# KiCad board LightRail_LPO_1.6T.kicad_pcb (continued)
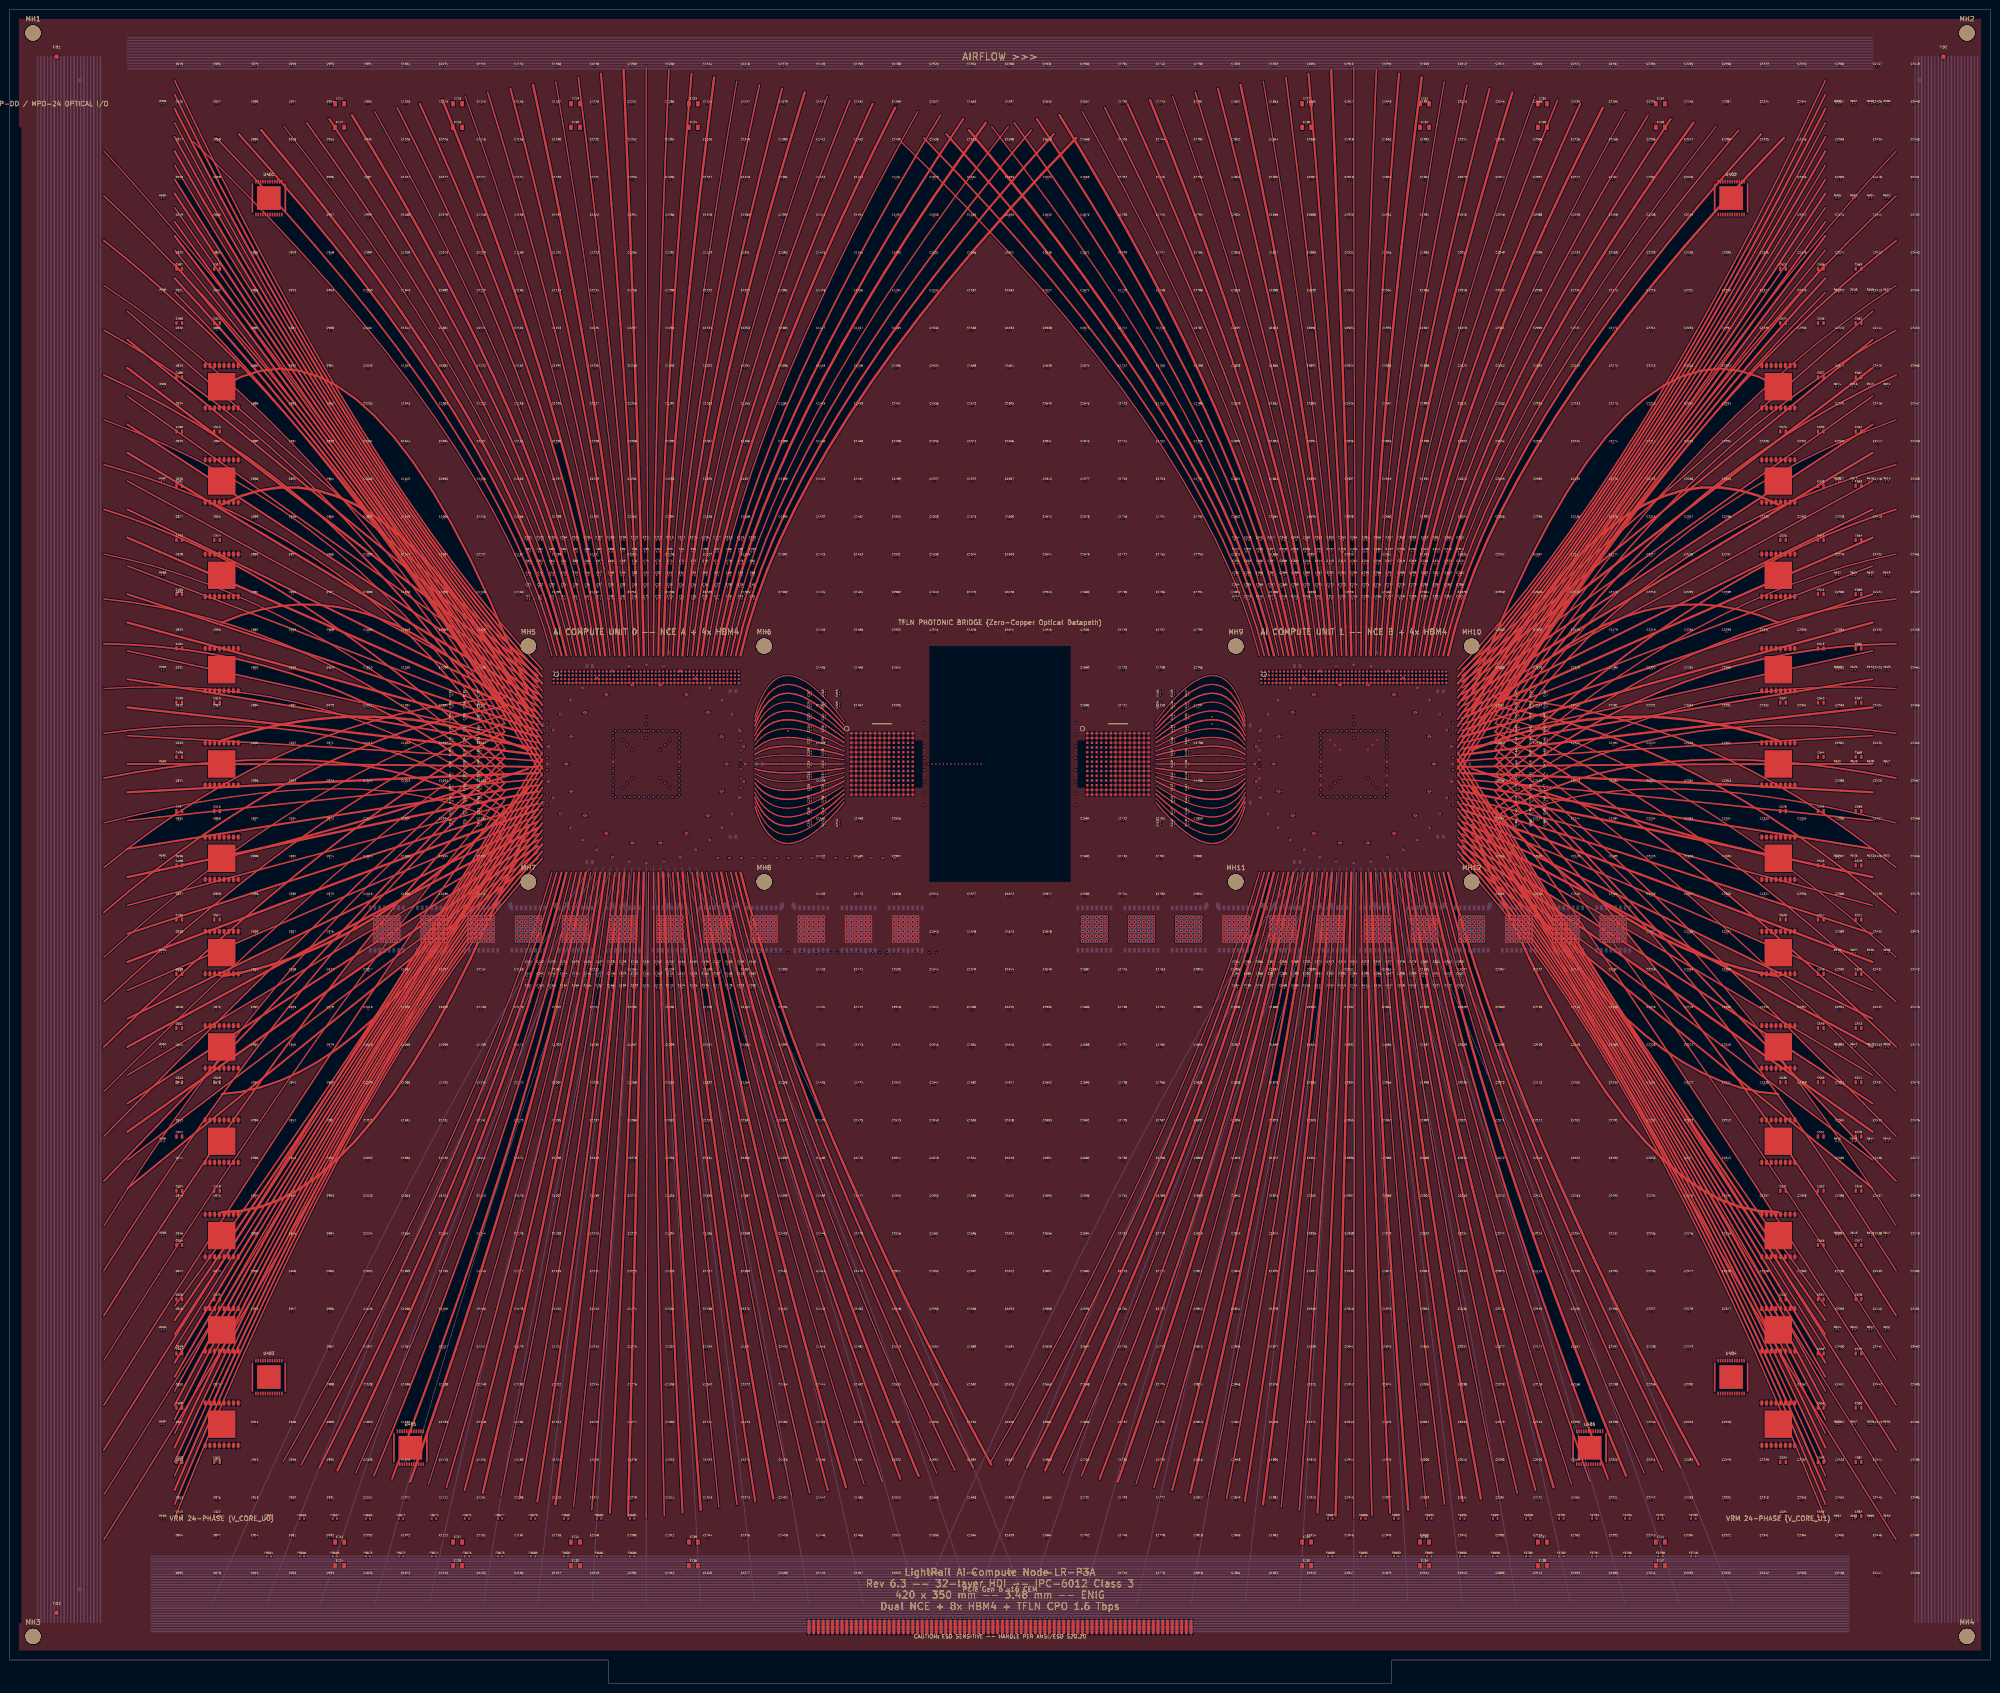
[diagram p0: board, top side]
## Nets (continued)
GND: C_U0_T1_0.2 C_U0_T1_1.2 C_U0_T1_2.2 C_U0_T1_3.2 C_U0_T1_4.2 C_U0_T1_5.2 C_U0_T2_0.2 C_U0_T2_1.2 C_U0_T2_2.2 C_U0_T2_3.2 C_U0_T2_4.2 C_U0_T2_5.2 C_U0_T2_6.2 C_U0_T2_7.2 C_U0_T2_8.2 C_U0_T3_0.2 C_U0_T3_1.2 C_U0_T3_2.2 C_U0_T3_3.2 C_U0_T3_4.2 C_U0_T3_5.2 C_U0_T3_6.2 C_U0_T3_7.2 C_U0_T3_8.2 C_U0_T3_9.2 C_U0_T3_10.2 C_U0_T3_11.2 C_U0_T3_12.2 C_U0_T3_13.2 C_U0_T3_14.2 C_U0_T3_15.2 C_U0_T3_16.2 C_U0_T3_17.2 C_U0_T4_0.2 C_U0_T4_1.2 C_U0_T4_2.2 C_U0_T4_3.2 C_U0_T4_4.2 C_U0_T4_5.2 C_U0_T4_6.2 C_U0_T4_7.2 C_U0_T4_8.2 C_U0_T4_9.2 C_U0_T4_10.2 C_U0_T4_11.2 C_U0_T4_12.2 C_U0_T4_13.2 C_U0_T4_14.2 C_U0_T4_15.2 C_U0_T4_16.2 C_U0_T4_17.2 C_U0_T4_18.2 C_U0_T4_19.2 C_U0_T4_20.2 C_U0_T4_21.2 C_U0_T4_22.2 C_U0_T4_23.2 C_U0_T4_24.2 C_U0_T4_25.2 C_U0_T4_26.2 C_U0_T4_27.2 C_U0_T4_28.2 C_U0_T4_29.2 C_U0_T4_30.2 C_U0_T4_31.2 C_U0_T4_32.2 C_U0_T4_33.2 C_U0_T4_34.2 C_U0_T4_35.2 C_U1_T1_0.2 C_U1_T1_1.2 C_U1_T1_2.2 C_U1_T1_3.2 C_U1_T1_4.2 C_U1_T1_5.2 C_U1_T2_0.2 C_U1_T2_1.2 C_U1_T2_2.2 C_U1_T2_3.2 C_U1_T2_4.2 C_U1_T2_5.2 C_U1_T2_6.2 C_U1_T2_7.2 C_U1_T2_8.2 C_U1_T3_0.2 C_U1_T3_1.2 C_U1_T3_2.2 C_U1_T3_3.2 C_U1_T3_4.2 C_U1_T3_5.2 C_U1_T3_6.2 C_U1_T3_7.2 C_U1_T3_8.2 C_U1_T3_9.2 C_U1_T3_10.2 C_U1_T3_11.2 C_U1_T3_12.2 C_U1_T3_13.2 C_U1_T3_14.2 C_U1_T3_15.2 C_U1_T3_16.2 C_U1_T3_17.2 C_U1_T4_0.2 C_U1_T4_1.2 C_U1_T4_2.2 C_U1_T4_3.2 C_U1_T4_4.2 C_U1_T4_5.2 C_U1_T4_6.2 C_U1_T4_7.2 C_U1_T4_8.2 C_U1_T4_9.2 C_U1_T4_10.2 C_U1_T4_11.2 C_U1_T4_12.2 C_U1_T4_13.2 C_U1_T4_14.2 C_U1_T4_15.2 C_U1_T4_16.2 C_U1_T4_17.2 C_U1_T4_18.2 C_U1_T4_19.2 C_U1_T4_20.2 C_U1_T4_21.2 C_U1_T4_22.2 C_U1_T4_23.2 C_U1_T4_24.2 C_U1_T4_25.2 C_U1_T4_26.2 C_U1_T4_27.2 C_U1_T4_28.2 C_U1_T4_29.2 C_U1_T4_30.2 C_U1_T4_31.2 C_U1_T4_32.2 C_U1_T4_33.2 C_U1_T4_34.2 C_U1_T4_35.2 J1.A1 J1.A2 J1.A3 J1.A4 J1.A5 J1.A6 J1.A7 J1.A8 J1.A9 J1.A10 J1.A11 J1.A12 J1.A13 J1.A14 J1.A15 J1.A16 J1.A17 J1.A18 J1.A19 J1.A20 J1.A21 J1.A22 J1.A23 J1.A24 J1.A25 J1.A26 J1.A27 J1.A28 J1.A29 J1.A30 J1.A31 J1.A32 J1.A33 J1.A34 J1.A35 J1.A36 J1.A37 J1.A38 J1.A39 J1.A40 J1.A41 J1.A42 J1.A43 J1.A44 J1.A45 J1.A46 J1.A47 J1.A48 J1.A49 J1.A50 J1.A51 J1.A52 J1.A53 J1.A54 J1.A55 J1.A56 J1.A57 J1.A58 J1.A59 J1.A60 J1.A61 J1.A62 J1.A63 J1.A64 J1.A65 J1.A66 J1.A67 J1.A68 J1.A69 J1.A70 J1.A71 J1.A72 J1.A73 J1.A74 J1.A75 J1.A76 J1.A77 J1.A78 J1.A79 J1.A80 J1.A81 J1.A82 J1.B1 J1.B2 J1.B3 J1.B4 J1.B5 J1.B6 J1.B7 J1.B8 J1.B9 J1.B10 J1.B11 J1.B12 J1.B13 J1.B14 J1.B15 J1.B16 J1.B17 J1.B18 J1.B19 J1.B20 J1.B21 J1.B22 J1.B23 J1.B24 J1.B25 J1.B26 J1.B27 J1.B28 J1.B29 J1.B30 J1.B31 J1.B32 J1.B33 J1.B34 J1.B35 J1.B36 J1.B37 J1.B38 J1.B39 J1.B40 J1.B41 J1.B42 J1.B43 J1.B44 J1.B45 J1.B46 J1.B47 J1.B48 J1.B49 J1.B50 J1.B51 J1.B52 J1.B53 J1.B54 J1.B55 J1.B56 J1.B57 J1.B58 J1.B59 J1.B60 J1.B61 J1.B62 J1.B63 J1.B64 J1.B65 J1.B66 J1.B67 J1.B68 J1.B69 J1.B70 J1.B71 J1.B72 J1.B73 J1.B74 J1.B75 J1.B76 J1.B77 J1.B78 J1.B79 J1.B80 J1.B81 J1.B82 U101.A1 U101.A3 U101.A5 U101.A7 U101.A9 U101.A11 U101.A13 U101.A15 U101.A17 U101.A19 U101.A21 U101.A23 U101.A25 U101.A27 U101.A29 U101.A31 U101.A33 U101.A35 U101.A37 U101.A39 U101.A41 U101.A43 U101.A45 U101.A47 U101.A49 U101.B2 U101.B4 U101.B6 U101.B8 U101.B10 U101.B12 U101.B14 U101.B16 U101.B18 U101.B20 U101.B22 U101.B24 U101.B26 U101.B28 U101.B30 U101.B32 U101.B34 U101.B36 U101.B38 U101.B40 U101.B42 U101.B44 U101.B46 U101.B48 U101.B50 U101.C1 U101.C3 U101.C5 U101.C7 U101.C9 U101.C11 U101.C13 U101.C15 U101.C17 U101.C19 U101.C21 U101.C23 U101.C25 U101.C27 U101.C29 U101.C31 U101.C33 U101.C35 U101.C37 U101.C39 U101.C41 U101.C43 U101.C45 U101.C47 U101.C49 U101.D2 U101.D4 U101.D5 U101.D6 U101.D7 U101.D8 U101.D9 U101.D10 U101.D11 U101.D12 U101.D13 U101.D14 U101.D15 U101.D16 U101.D17 U101.D18 U101.D19 U101.D20 U101.D21 U101.D22 U101.D23 U101.D24 U101.D25 U101.D26 U101.D27 U101.D28 U101.D29 U101.D30 U101.D31 U101.D32 U101.D33 U101.D34 U101.D35 U101.D36 U101.D37 U101.D38 U101.D39 U101.D40 U101.D41 U101.D42 U101.D43 U101.D44 U101.D45 U101.D46 U101.D47 U101.D48 U101.D50 U102.A1 U102.A2 U102.A3 U102.A4 U102.A5 U102.A6 U102.A7 U102.A8 U102.A9 U102.A10 U102.A11 U102.A12 U102.A13 U102.A14 U102.B1 U102.B2 U102.B3 U102.B4 U102.B5 U102.B6 U102.B7 U102.B8 U102.B9 U102.B10 U102.B11 U102.B12 U102.B13 U102.B14 U102.C1 U102.C2 U102.C3 U102.C4 U102.C5 U102.C6 U102.C7 U102.C8 U102.C9 U102.C10 U102.C11 U102.C12 U102.C13 U102.C14 U102.D1 U102.D2 U102.D3 U102.D4 U102.D5 U102.D6 U102.D7 U102.D8 U102.D9 U102.D10 U102.D11 U102.D12 U102.D13 U102.D14 U102.E1 U102.E2 U102.E3 U102.E4 U102.E5 U102.E6 U102.E7 U102.E8 U102.E9 U102.E10 U102.E11 U102.E12 U102.E13 U102.E14 U102.F1 U102.F2 U102.F3 U102.F4 U102.F5 U102.F6 U102.F7 U102.F8 U102.F9 U102.F10 U102.F11 U102.F12 U102.F13 U102.F14 U102.G1 U102.G2 U102.G3 U102.G4 U102.G5 U102.G6 U102.G7 U102.G8 U102.G9 U102.G10 U102.G11 U102.G12 U102.G13 U102.G14 U102.H1 U102.H2 U102.H3 U102.H4 U102.H5 U102.H6 U102.H7 U102.H8 U102.H9 U102.H10 U102.H11 U102.H12 U102.H13 U102.H14 U102.I1 U102.I2 U102.I3 U102.I4 U102.I5 U102.I6 U102.I7 U102.I8 U102.I9 U102.I10 U102.I11 U102.I12 U102.I13 U102.I14 U102.J1 U102.J2 U102.J3 U102.J4 U102.J5 U102.J6 U102.J7 U102.J8 U102.J9 U102.J10 U102.J11 U102.J12 U102.J13 U102.J14 U102.K1 U102.K2 U102.K3 U102.K4 U102.K5 U102.K6 U102.K7 U102.K8 U102.K9 U102.K10 U102.K11 U102.K12 U102.K13 U102.K14 U102.L1 U102.L2 U102.L3 U102.L4 U102.L5 U102.L6 U102.L7 U102.L8 U102.L9 U102.L10 U102.L11 U102.L12 U102.L13 U102.L14 U102.M1 U102.M2 U102.M3 U102.M4 U102.M5 U102.M6 U102.M7 U102.M8 U102.M9 U102.M10 U102.M11 U102.M12 U102.M13 U102.M14 U102.N1 U102.N2 U102.N3 U102.N4 U102.N5 U102.N6 U102.N7 U102.N8 U102.N9 U102.N10 U102.N11 U102.N12 U102.N13 U102.N14 U201.A1 U201.A3 U201.A5 U201.A7 U201.A9 U201.A11 U201.A13 U201.A15 U201.A17 U201.A19 U201.A21 U201.A23 U201.A25 U201.A27 U201.A29 U201.A31 U201.A33 U201.A35 U201.A37 U201.A39 U201.A41 U201.A43 U201.A45 U201.A47 U201.A49 U201.B2 U201.B4 U201.B6 U201.B8 U201.B10 U201.B12 U201.B14 U201.B16 U201.B18 U201.B20 U201.B22 U201.B24 U201.B26 U201.B28 U201.B30 U201.B32 U201.B34 U201.B36 U201.B38 U201.B40 U201.B42 U201.B44 U201.B46 U201.B48 U201.B50 U201.C1 U201.C3 U201.C5 U201.C7 U201.C9 U201.C11 U201.C13 U201.C15 U201.C17 U201.C19 U201.C21 U201.C23 U201.C25 U201.C27 U201.C29 U201.C31 U201.C33 U201.C35 U201.C37 U201.C39 U201.C41 U201.C43 U201.C45 U201.C47 U201.C49 U201.D2 U201.D4 U201.D5 U201.D6 U201.D7 U201.D8 U201.D9 U201.D10 U201.D11 U201.D12 U201.D13 U201.D14 U201.D15 U201.D16 U201.D17 U201.D18 U201.D19 U201.D20 U201.D21 U201.D22 U201.D23 U201.D24 U201.D25 U201.D26 U201.D27 U201.D28 U201.D29 U201.D30 U201.D31 U201.D32 U201.D33 U201.D34 U201.D35 U201.D36 U201.D37 U201.D38 U201.D39 U201.D40 U201.D41 U201.D42 U201.D43 U201.D44 U201.D45 U201.D46 U201.D47 U201.D48 U201.D50 U202.A1 U202.A2 U202.A3 U202.A4 U202.A5 U202.A6 U202.A7 U202.A8 U202.A9 U202.A10 U202.A11 U202.A12 U202.A13 U202.A14 U202.B1 U202.B2 U202.B3 U202.B4 U202.B5 U202.B6 U202.B7 U202.B8 U202.B9 U202.B10 U202.B11 U202.B12 U202.B13 U202.B14 U202.C1 U202.C2 U202.C3 U202.C4 U202.C5 U202.C6 U202.C7 U202.C8 U202.C9 U202.C10 U202.C11 U202.C12 U202.C13 U202.C14 U202.D1 U202.D2 U202.D3 U202.D4 U202.D5 U202.D6 U202.D7 U202.D8 U202.D9 U202.D10 U202.D11 U202.D12 U202.D13 U202.D14 U202.E1 U202.E2 U202.E3 U202.E4 U202.E5 U202.E6 U202.E7 U202.E8 U202.E9 U202.E10 U202.E11 U202.E12 U202.E13 U202.E14 U202.F1 U202.F2 U202.F3 U202.F4 U202.F5 U202.F6 U202.F7 U202.F8 U202.F9 U202.F10 U202.F11 U202.F12 U202.F13 U202.F14 U202.G1 U202.G2 U202.G3 U202.G4 U202.G5 U202.G6 U202.G7 U202.G8 U202.G9 U202.G10 U202.G11 U202.G12 U202.G13 U202.G14 U202.H1 U202.H2 U202.H3 U202.H4 U202.H5 U202.H6 U202.H7 U202.H8 U202.H9 U202.H10 U202.H11 U202.H12 U202.H13 U202.H14 U202.I1 U202.I2 U202.I3 U202.I4 U202.I5 U202.I6 U202.I7 U202.I8 U202.I9 U202.I10 U202.I11 U202.I12 U202.I13 U202.I14 U202.J1 U202.J2 U202.J3 U202.J4 U202.J5 U202.J6 U202.J7 U202.J8 U202.J9 U202.J10 U202.J11 U202.J12 U202.J13 U202.J14 U202.K1 U202.K2 U202.K3 U202.K4 U202.K5 U202.K6 U202.K7 U202.K8 U202.K9 U202.K10 U202.K11 U202.K12 U202.K13 U202.K14 U202.L1 U202.L2 U202.L3 U202.L4 U202.L5 U202.L6 U202.L7 U202.L8 U202.L9 U202.L10 U202.L11 U202.L12 U202.L13 U202.L14 U202.M1 U202.M2 U202.M3 U202.M4 U202.M5 U202.M6 U202.M7 U202.M8 U202.M9 U202.M10 U202.M11 U202.M12 U202.M13 U202.M14 U202.N1 U202.N2 U202.N3 U202.N4 U202.N5 U202.N6 U202.N7 U202.N8 U202.N9 U202.N10 U202.N11 U202.N12 U202.N13 U202.N14 U302.1 U302.2 U302.3 U302.4 U302.5 U302.6 U302.7 U302.8 U302.9 U302.10 U302.11 U302.12 U302.13 U302.14 U302.15 U302.16 U303.1 U303.2 U303.3 U303.4 U303.5 U303.6 U303.7 U303.8 U303.9 U303.10 U303.11 U303.12 U303.13 U303.14 U303.15 U303.16 U304.1 U304.2 U304.3 U304.4 U304.5 U304.6 U304.7 U304.8 U304.9 U304.10 U304.11 U304.12 U304.13 U304.14 U304.15 U304.16 U305.1 U305.2 U305.3 U305.4 U305.5 U305.6 U305.7 U305.8 U305.9 U305.10 U305.11 U305.12 U305.13 U305.14 U305.15 U305.16 U306.1 U306.2 U306.3 U306.4 U306.5 U306.6 U306.7 U306.8 U306.9 U306.10 U306.11 U306.12 U306.13 U306.14 U306.15 U306.16 U307.1 U307.2 U307.3 U307.4 U307.5 U307.6 U307.7 U307.8 U307.9 U307.10 U307.11 U307.12 U307.13 U307.14 U307.15 U307.16 U308.1 U308.2 U308.3 U308.4 U308.5 U308.6 U308.7 U308.8 U308.9 U308.10 U308.11 U308.12 U308.13 U308.14 U308.15 U308.16 U309.1 U309.2 U309.3 U309.4 U309.5 U309.6 U309.7 U309.8 U309.9 U309.10 U309.11 U309.12 U309.13 U309.14 U309.15 U309.16 U310.1 U310.2 U310.3 U310.4 U310.5 U310.6 U310.7 U310.8 U310.9 U310.10 U310.11 U310.12 U310.13 U310.14 U310.15 U310.16 U311.1 U311.2 U311.3 U311.4 U311.5 U311.6 U311.7 U311.8 U311.9 U311.10 U311.11 U311.12 U311.13 U311.14 U311.15 U311.16 U312.1 U312.2 U312.3 U312.4 U312.5 U312.6 U312.7 U312.8 U312.9 U312.10 U312.11 U312.12 U312.13 U312.14 U312.15 U312.16 U313.1 U313.2 U313.3 U313.4 U313.5 U313.6 U313.7 U313.8 U313.9 U313.10 U313.11 U313.12 U313.13 U313.14 U313.15 U313.16 U314.1 U314.2 U314.3 U314.4 U314.5 U314.6 U314.7 U314.8 U314.9 U314.10 U314.11 U314.12 U314.13 U314.14 U314.15 U314.16 U315.1 U315.2 U315.3 U315.4 U315.5 U315.6 U315.7 U315.8 U315.9 U315.10 U315.11 U315.12 U315.13 U315.14 U315.15 U315.16 U316.1 U316.2 U316.3 U316.4 U316.5 U316.6 U316.7 U316.8 U316.9 U316.10 U316.11 U316.12 U316.13 U316.14 U316.15 U316.16 U317.1 U317.2 U317.3 U317.4 U317.5 U317.6 U317.7 U317.8 U317.9 U317.10 U317.11 U317.12 U317.13 U317.14 U317.15 U317.16 U318.1 U318.2 U318.3 U318.4 U318.5 U318.6 U318.7 U318.8 U318.9 U318.10 U318.11 U318.12 U318.13 U318.14 U318.15 U318.16 U319.1 U319.2 U319.3 U319.4 U319.5 U319.6 U319.7 U319.8 U319.9 U319.10 U319.11 U319.12 U319.13 U319.14 U319.15 U319.16 U320.1 U320.2 U320.3 U320.4 U320.5 U320.6 U320.7 U320.8 U320.9 U320.10 U320.11 U320.12 U320.13 U320.14 U320.15 U320.16 U321.1 U321.2 U321.3 U321.4 U321.5 U321.6 U321.7 U321.8 U321.9 U321.10 U321.11 U321.12 U321.13 U321.14 U321.15 U321.16 U322.1 U322.2 U322.3 U322.4 U322.5 U322.6 U322.7 U322.8 U322.9 U322.10 U322.11 U322.12 U322.13 U322.14 U322.15 U322.16 U323.1 U323.2 U323.3 U323.4 U323.5 U323.6 U323.7 U323.8 U323.9 U323.10 U323.11 U323.12 U323.13 U323.14 U323.15 U323.16 U324.1 U324.2 U324.3 U324.4 U324.5 U324.6 U324.7 U324.8 U324.9 U324.10 U324.11 U324.12 U324.13 U324.14 U324.15 U324.16 U325.1 U325.2 U325.3 U325.4 U325.5 U325.6 U325.7 U325.8 U325.9 U325.10 U325.11 U325.12 U325.13 U325.14 U325.15 U325.16 U326.1 U326.2 U326.3 U326.4 U326.5 U326.6 U326.7 U326.8 U326.9 U326.10 U326.11 U326.12 U326.13 U326.14 U326.15 U326.16 U327.1 U327.2 U327.3 U327.4 U327.5 U327.6 U327.7 U327.8 U327.9 U327.10 U327.11 U327.12 U327.13 U327.14 U327.15 U327.16 U328.1 U328.2 U328.3 U328.4 U328.5 U328.6 U328.7 U328.8 U328.9 U328.10 U328.11 U328.12 U328.13 U328.14 U328.15 U328.16 U329.1 U329.2 U329.3 U329.4 U329.5 U329.6 U329.7 U329.8 U329.9 U329.10 U329.11 U329.12 U329.13 U329.14 U329.15 U329.16 U330.1 U330.2 U330.3 U330.4 U330.5 U330.6 U330.7 U330.8 U330.9 U330.10 U330.11 U330.12 U330.13 U330.14 U330.15 U330.16 U331.1 U331.2 U331.3 U331.4 U331.5 U331.6 U331.7 U331.8 U331.9 U331.10 U331.11 U331.12 U331.13 U331.14 U331.15 U331.16 U332.1 U332.2 U332.3 U332.4 U332.5 U332.6 U332.7 U332.8 U332.9 U332.10 U332.11 U332.12 U332.13 U332.14 U332.15 U332.16 U333.1 U333.2 U333.3 U333.4 U333.5 U333.6 U333.7 U333.8 U333.9 U333.10 U333.11 U333.12 U333.13 U333.14 U333.15 U333.16 U334.1 U334.2 U334.3 U334.4 U334.5 U334.6 U334.7 U334.8 U334.9 U334.10 U334.11 U334.12 U334.13 U334.14 U334.15 U334.16 U335.1 U335.2 U335.3 U335.4 U335.5 U335.6 U335.7 U335.8 U335.9 U335.10 U335.11 U335.12 U335.13 U335.14 U335.15 U335.16 U336.1 U336.2 U336.3 U336.4 U336.5 U336.6 U336.7 U336.8 U336.9 U336.10 U336.11 U336.12 U336.13 U336.14 U336.15 U336.16 U337.1 U337.2 U337.3 U337.4 U337.5 U337.6 U337.7 U337.8 U337.9 U337.10 U337.11 U337.12 U337.13 U337.14 U337.15 U337.16 U338.1 U338.2 U338.3 U338.4 U338.5 U338.6 U338.7 U338.8 U338.9 U338.10 U338.11 U338.12 U338.13 U338.14 U338.15 U338.16 U339.1 U339.2 U339.3 U339.4 U339.5 U339.6 U339.7 U339.8 U339.9 U339.10 U339.11 U339.12 U339.13 U339.14 U339.15 U339.16 U340.1 U340.2 U340.3 U340.4 U340.5 U340.6 U340.7 U340.8 U340.9 U340.10 U340.11 U340.12 U340.13 U340.14 U340.15 U340.16 U341.1 U341.2 U341.3 U341.4 U341.5 U341.6 U341.7 U341.8 U341.9 U341.10 U341.11 U341.12 U341.13 U341.14 U341.15 U341.16 U342.1 U342.2 U342.3 U342.4 U342.5 U342.6 U342.7 U342.8 U342.9 U342.10 U342.11 U342.12 U342.13 U342.14 U342.15 U342.16 U343.1 U343.2 U343.3 U343.4 U343.5 U343.6 U343.7 U343.8 U343.9 U343.10 U343.11 U343.12 U343.13 U343.14 U343.15 U343.16 U344.1 U344.2 U344.3 U344.4 U344.5 U344.6 U344.7 U344.8 U344.9 U344.10 U344.11 U344.12 U344.13 U344.14 U344.15 U344.16 U345.1 U345.2 U345.3 U345.4 U345.5 U345.6 U345.7 U345.8 U345.9 U345.10 U345.11 U345.12 U345.13 U345.14 U345.15 U345.16 U346.1 U346.2 U346.3 U346.4 U346.5 U346.6 U346.7 U346.8 U346.9 U346.10 U346.11 U346.12 U346.13 U346.14 U346.15 U346.16 U347.1 U347.2 U347.3 U347.4 U347.5 U347.6 U347.7 U347.8 U347.9 U347.10 U347.11 U347.12 U347.13 U347.14 U347.15 U347.16 U348.1 U348.2 U348.3 U348.4 U348.5 U348.6 U348.7 U348.8 U348.9 U348.10 U348.11 U348.12 U348.13 U348.14 U348.15 U348.16 U349.1 U349.2 U349.3 U349.4 U349.5 U349.6 U349.7 U349.8 U349.9 U349.10 U349.11 U349.12 U349.13 U349.14 U349.15 U349.16
PDN_U0_T1_C0: C_U0_T1_0.1
PDN_U0_T1_C1: C_U0_T1_1.1
PDN_U0_T1_C2: C_U0_T1_2.1
PDN_U0_T1_C3: C_U0_T1_3.1
PDN_U0_T1_C4: C_U0_T1_4.1
PDN_U0_T1_C5: C_U0_T1_5.1
PDN_U0_T2_C0: C_U0_T2_0.1
PDN_U0_T2_C1: C_U0_T2_1.1
PDN_U0_T2_C2: C_U0_T2_2.1
PDN_U0_T2_C3: C_U0_T2_3.1
PDN_U0_T2_C4: C_U0_T2_4.1
PDN_U0_T2_C5: C_U0_T2_5.1
PDN_U0_T2_C6: C_U0_T2_6.1
PDN_U0_T2_C7: C_U0_T2_7.1
PDN_U0_T2_C8: C_U0_T2_8.1
PDN_U0_T3_C0: C_U0_T3_0.1
PDN_U0_T3_C1: C_U0_T3_1.1
PDN_U0_T3_C2: C_U0_T3_2.1
PDN_U0_T3_C3: C_U0_T3_3.1
PDN_U0_T3_C4: C_U0_T3_4.1
PDN_U0_T3_C5: C_U0_T3_5.1
PDN_U0_T3_C6: C_U0_T3_6.1
PDN_U0_T3_C7: C_U0_T3_7.1
PDN_U0_T3_C8: C_U0_T3_8.1
PDN_U0_T3_C9: C_U0_T3_9.1
PDN_U0_T3_C10: C_U0_T3_10.1
PDN_U0_T3_C11: C_U0_T3_11.1
PDN_U0_T3_C12: C_U0_T3_12.1
PDN_U0_T3_C13: C_U0_T3_13.1
PDN_U0_T3_C14: C_U0_T3_14.1
PDN_U0_T3_C15: C_U0_T3_15.1
PDN_U0_T3_C16: C_U0_T3_16.1
PDN_U0_T3_C17: C_U0_T3_17.1
PDN_U0_T4_C0: C_U0_T4_0.1
PDN_U0_T4_C1: C_U0_T4_1.1
PDN_U0_T4_C2: C_U0_T4_2.1
PDN_U0_T4_C3: C_U0_T4_3.1
PDN_U0_T4_C4: C_U0_T4_4.1
PDN_U0_T4_C5: C_U0_T4_5.1
PDN_U0_T4_C6: C_U0_T4_6.1
PDN_U0_T4_C7: C_U0_T4_7.1
PDN_U0_T4_C8: C_U0_T4_8.1
PDN_U0_T4_C9: C_U0_T4_9.1
PDN_U0_T4_C10: C_U0_T4_10.1
PDN_U0_T4_C11: C_U0_T4_11.1
PDN_U0_T4_C12: C_U0_T4_12.1
PDN_U0_T4_C13: C_U0_T4_13.1
PDN_U0_T4_C14: C_U0_T4_14.1
PDN_U0_T4_C15: C_U0_T4_15.1
PDN_U0_T4_C16: C_U0_T4_16.1
PDN_U0_T4_C17: C_U0_T4_17.1
PDN_U0_T4_C18: C_U0_T4_18.1
PDN_U0_T4_C19: C_U0_T4_19.1
PDN_U0_T4_C20: C_U0_T4_20.1
PDN_U0_T4_C21: C_U0_T4_21.1
PDN_U0_T4_C22: C_U0_T4_22.1
PDN_U0_T4_C23: C_U0_T4_23.1
PDN_U0_T4_C24: C_U0_T4_24.1
PDN_U0_T4_C25: C_U0_T4_25.1
PDN_U0_T4_C26: C_U0_T4_26.1
PDN_U0_T4_C27: C_U0_T4_27.1
PDN_U0_T4_C28: C_U0_T4_28.1
PDN_U0_T4_C29: C_U0_T4_29.1
PDN_U0_T4_C30: C_U0_T4_30.1
PDN_U0_T4_C31: C_U0_T4_31.1
PDN_U0_T4_C32: C_U0_T4_32.1
PDN_U0_T4_C33: C_U0_T4_33.1
PDN_U0_T4_C34: C_U0_T4_34.1
PDN_U0_T4_C35: C_U0_T4_35.1
PDN_U1_T1_C0: C_U1_T1_0.1
PDN_U1_T1_C1: C_U1_T1_1.1
PDN_U1_T1_C2: C_U1_T1_2.1
PDN_U1_T1_C3: C_U1_T1_3.1
PDN_U1_T1_C4: C_U1_T1_4.1
PDN_U1_T1_C5: C_U1_T1_5.1
PDN_U1_T2_C0: C_U1_T2_0.1
PDN_U1_T2_C1: C_U1_T2_1.1
PDN_U1_T2_C2: C_U1_T2_2.1
PDN_U1_T2_C3: C_U1_T2_3.1
PDN_U1_T2_C4: C_U1_T2_4.1
PDN_U1_T2_C5: C_U1_T2_5.1
PDN_U1_T2_C6: C_U1_T2_6.1
PDN_U1_T2_C7: C_U1_T2_7.1
PDN_U1_T2_C8: C_U1_T2_8.1
PDN_U1_T3_C0: C_U1_T3_0.1
PDN_U1_T3_C1: C_U1_T3_1.1
PDN_U1_T3_C2: C_U1_T3_2.1
PDN_U1_T3_C3: C_U1_T3_3.1
PDN_U1_T3_C4: C_U1_T3_4.1
PDN_U1_T3_C5: C_U1_T3_5.1
PDN_U1_T3_C6: C_U1_T3_6.1
PDN_U1_T3_C7: C_U1_T3_7.1
PDN_U1_T3_C8: C_U1_T3_8.1
PDN_U1_T3_C9: C_U1_T3_9.1
PDN_U1_T3_C10: C_U1_T3_10.1
PDN_U1_T3_C11: C_U1_T3_11.1
PDN_U1_T3_C12: C_U1_T3_12.1
PDN_U1_T3_C13: C_U1_T3_13.1
PDN_U1_T3_C14: C_U1_T3_14.1
PDN_U1_T3_C15: C_U1_T3_15.1
PDN_U1_T3_C16: C_U1_T3_16.1
PDN_U1_T3_C17: C_U1_T3_17.1
PDN_U1_T4_C0: C_U1_T4_0.1
PDN_U1_T4_C1: C_U1_T4_1.1
PDN_U1_T4_C2: C_U1_T4_2.1
PDN_U1_T4_C3: C_U1_T4_3.1
PDN_U1_T4_C4: C_U1_T4_4.1
PDN_U1_T4_C5: C_U1_T4_5.1
PDN_U1_T4_C6: C_U1_T4_6.1
PDN_U1_T4_C7: C_U1_T4_7.1
PDN_U1_T4_C8: C_U1_T4_8.1
PDN_U1_T4_C9: C_U1_T4_9.1
PDN_U1_T4_C10: C_U1_T4_10.1
PDN_U1_T4_C11: C_U1_T4_11.1
PDN_U1_T4_C12: C_U1_T4_12.1
PDN_U1_T4_C13: C_U1_T4_13.1
PDN_U1_T4_C14: C_U1_T4_14.1
PDN_U1_T4_C15: C_U1_T4_15.1
PDN_U1_T4_C16: C_U1_T4_16.1
PDN_U1_T4_C17: C_U1_T4_17.1
PDN_U1_T4_C18: C_U1_T4_18.1
PDN_U1_T4_C19: C_U1_T4_19.1
PDN_U1_T4_C20: C_U1_T4_20.1
PDN_U1_T4_C21: C_U1_T4_21.1
PDN_U1_T4_C22: C_U1_T4_22.1
PDN_U1_T4_C23: C_U1_T4_23.1
PDN_U1_T4_C24: C_U1_T4_24.1
PDN_U1_T4_C25: C_U1_T4_25.1
PDN_U1_T4_C26: C_U1_T4_26.1
PDN_U1_T4_C27: C_U1_T4_27.1
PDN_U1_T4_C28: C_U1_T4_28.1
PDN_U1_T4_C29: C_U1_T4_29.1
PDN_U1_T4_C30: C_U1_T4_30.1
PDN_U1_T4_C31: C_U1_T4_31.1
PDN_U1_T4_C32: C_U1_T4_32.1
PDN_U1_T4_C33: C_U1_T4_33.1
PDN_U1_T4_C34: C_U1_T4_34.1
PDN_U1_T4_C35: C_U1_T4_35.1
V_CORE_U0: U101.A2 U101.A4 U101.A6 U101.A8 U101.A10 U101.A12 U101.A14 U101.A16 U101.A18 U101.A20 U101.A22 U101.A24 U101.A26 U101.A28 U101.A30 U101.A32 U101.A34 U101.A36 U101.A38 U101.A40 U101.A42 U101.A44 U101.A46 U101.A48 U101.A50 U101.B1 U101.B3 U101.B5 U101.B7 U101.B9 U101.B11 U101.B13 U101.B15 U101.B17 U101.B19 U101.B21 U101.B23 U101.B25 U101.B27 U101.B29 U101.B31 U101.B33 U101.B35 U101.B37 U101.B39 U101.B41 U101.B43 U101.B45 U101.B47 U101.B49 U101.C2 U101.C4 U101.C6 U101.C8 U101.C10 U101.C12 U101.C14 U101.C16 U101.C18 U101.C20 U101.C22 U101.C24 U101.C26 U101.C28 U101.C30 U101.C32 U101.C34 U101.C36 U101.C38 U101.C40 U101.C42 U101.C44 U101.C46 U101.C48 U101.C50 U101.D1 U101.D3 U101.D49 U302.EP U303.EP U304.EP U305.EP U306.EP U307.EP U308.EP U309.EP U310.EP U311.EP U312.EP U313.EP U326.EP U327.EP U328.EP U329.EP U330.EP U331.EP U332.EP U333.EP U334.EP U335.EP U336.EP U337.EP
V_CORE_U1: U201.A2 U201.A4 U201.A6 U201.A8 U201.A10 U201.A12 U201.A14 U201.A16 U201.A18 U201.A20 U201.A22 U201.A24 U201.A26 U201.A28 U201.A30 U201.A32 U201.A34 U201.A36 U201.A38 U201.A40 U201.A42 U201.A44 U201.A46 U201.A48 U201.A50 U201.B1 U201.B3 U201.B5 U201.B7 U201.B9 U201.B11 U201.B13 U201.B15 U201.B17 U201.B19 U201.B21 U201.B23 U201.B25 U201.B27 U201.B29 U201.B31 U201.B33 U201.B35 U201.B37 U201.B39 U201.B41 U201.B43 U201.B45 U201.B47 U201.B49 U201.C2 U201.C4 U201.C6 U201.C8 U201.C10 U201.C12 U201.C14 U201.C16 U201.C18 U201.C20 U201.C22 U201.C24 U201.C26 U201.C28 U201.C30 U201.C32 U201.C34 U201.C36 U201.C38 U201.C40 U201.C42 U201.C44 U201.C46 U201.C48 U201.C50 U201.D1 U201.D3 U201.D49 U314.EP U315.EP U316.EP U317.EP U318.EP U319.EP U320.EP U321.EP U322.EP U323.EP U324.EP U325.EP U338.EP U339.EP U340.EP U341.EP U342.EP U343.EP U344.EP U345.EP U346.EP U347.EP U348.EP U349.EP